# Altium PCB DI543.PcbDoc (part 4 of 8)
Units mil, origin at the board's own origin, x right, y up, seen from the top; angles counter-clockwise.
Board outline 8666.42 x 9192.01 mil, 4 copper layers (Top Layer, Mid-Layer 1, Mid-Layer 2, Bottom Layer), stack 35.6 mil thick; 694 components, 500 nets, 2441 pads, 1661 vias.
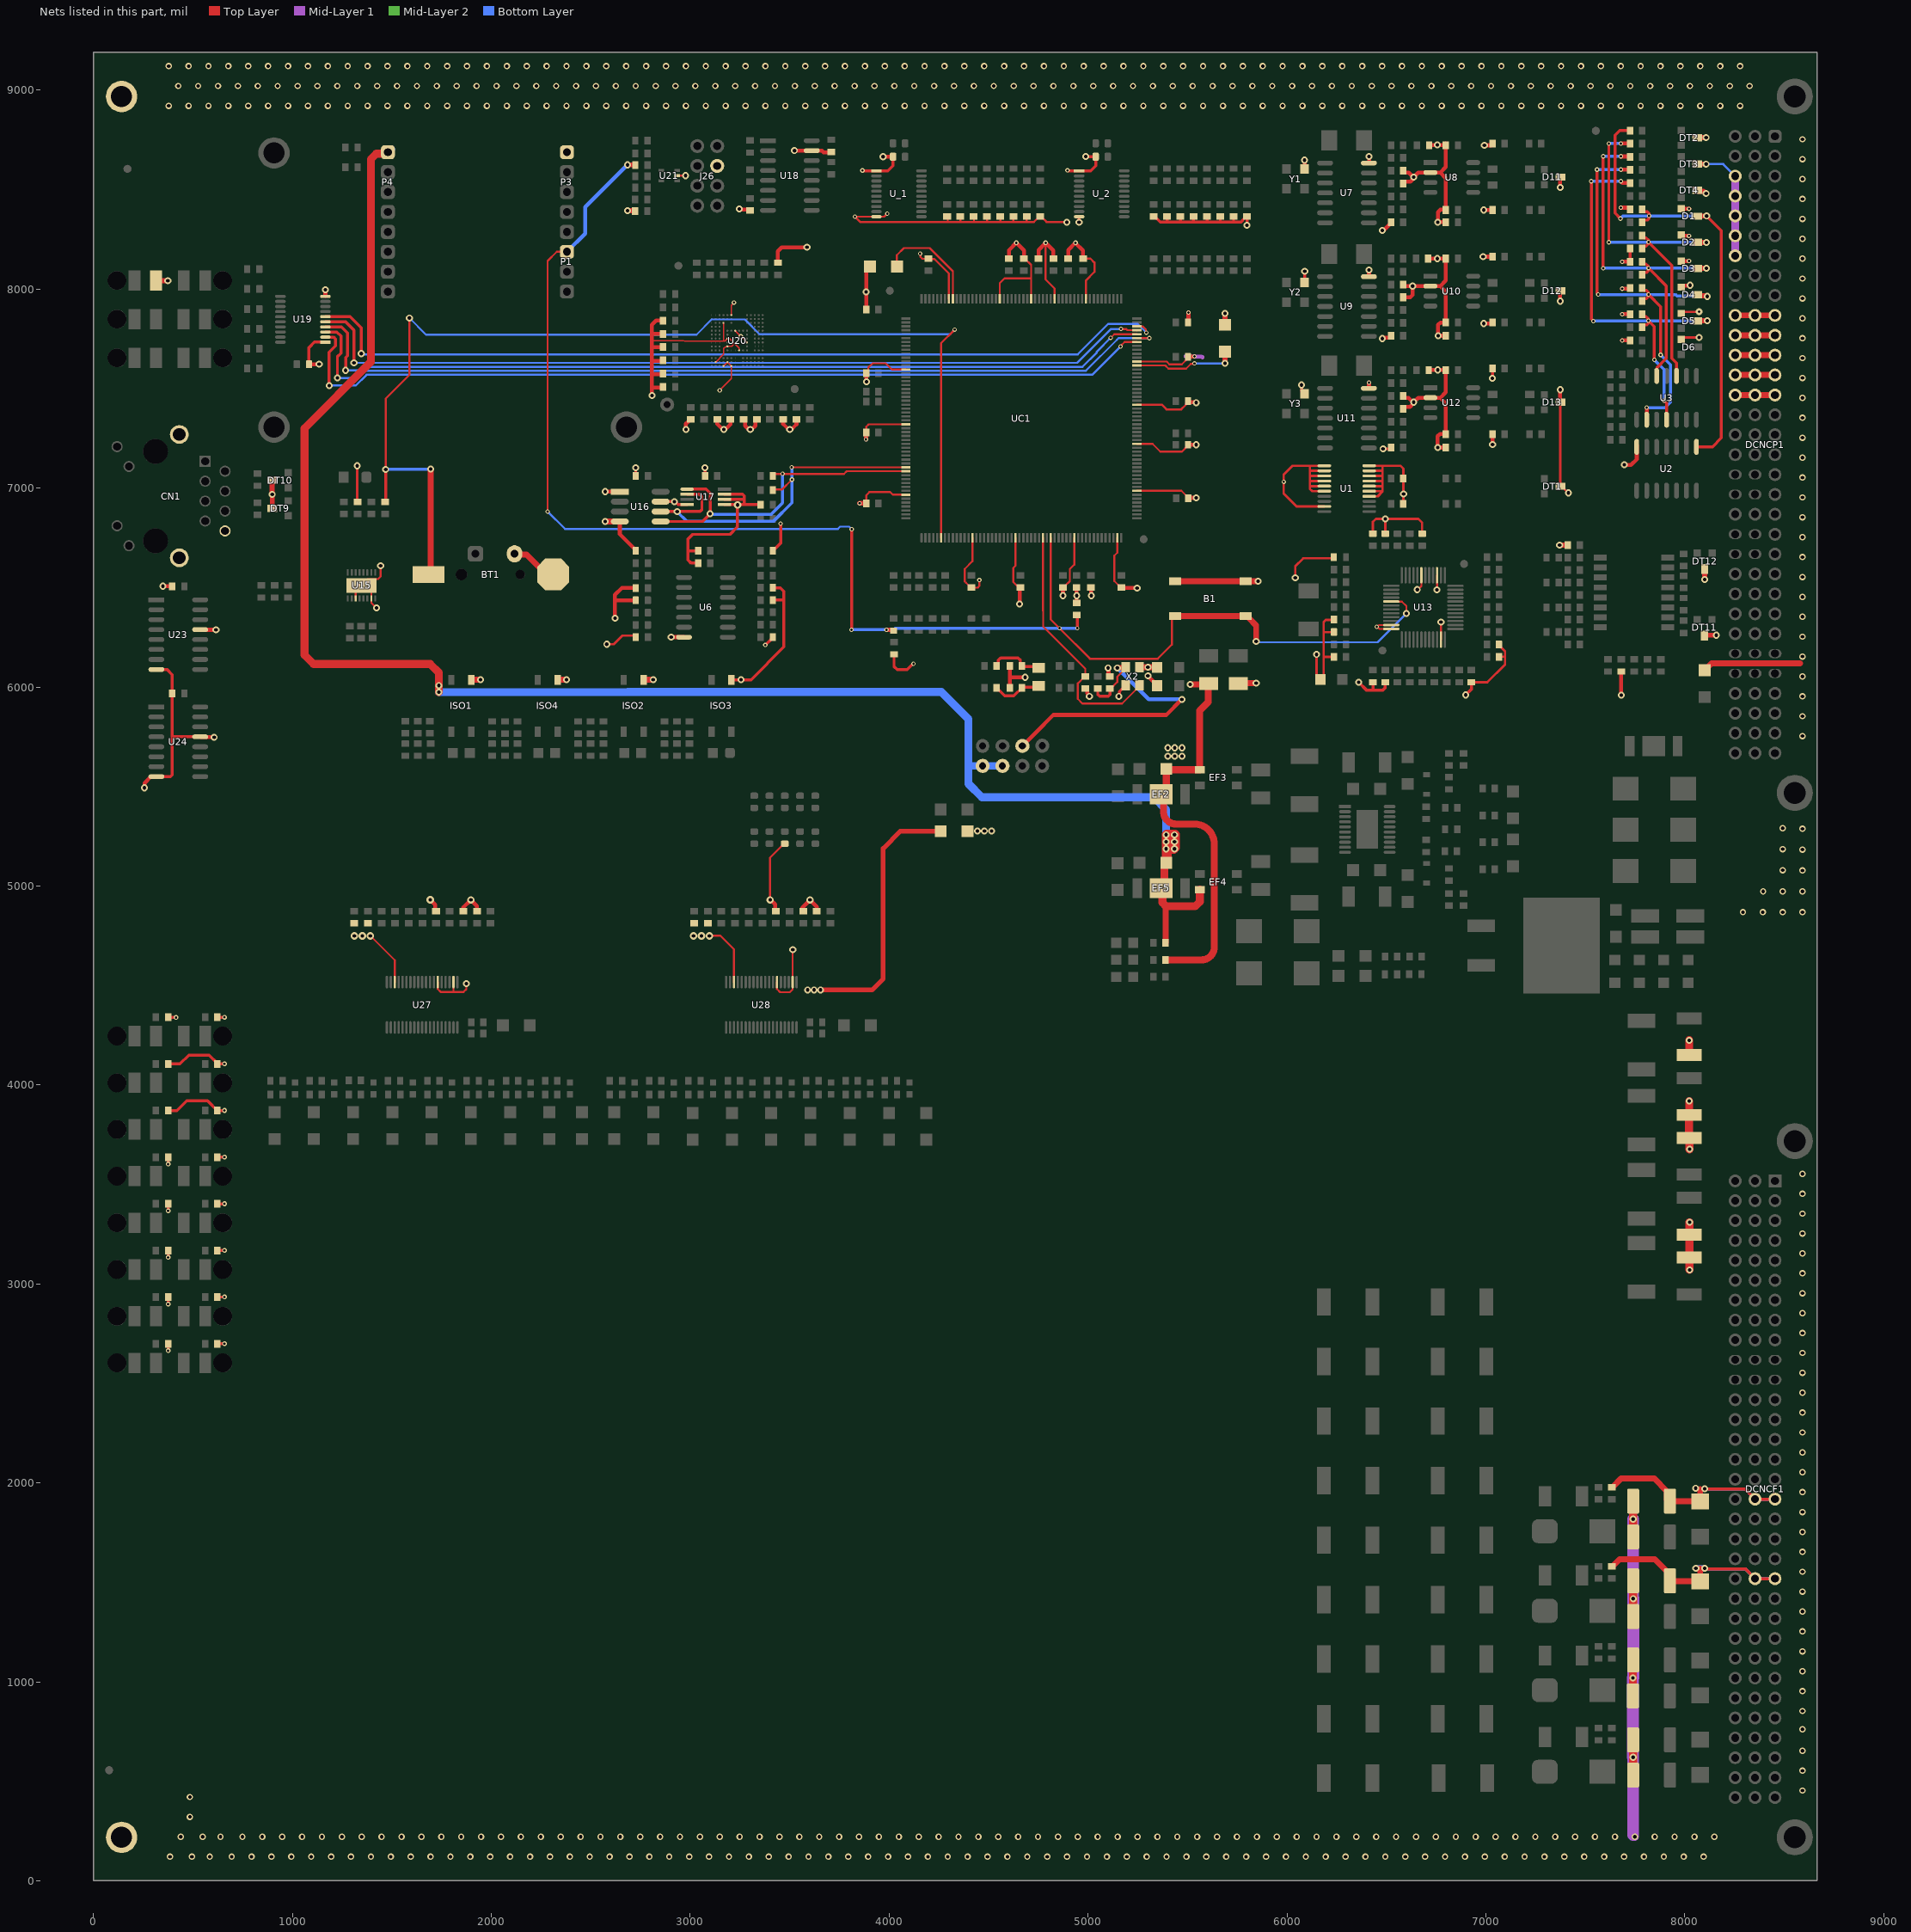
[diagram p6: the nets of this part, all layers, seen from the top]

## Via types
v1: diameter 35, hole 18, Top Layer to Bottom Layer, tented both sides, 586 vias
v2: diameter 32, hole 18, Top Layer to Bottom Layer, tented both sides, 474 vias
v3: diameter 22, hole 12, Top Layer to Bottom Layer, tented both sides, 354 vias
v4: diameter 24, hole 12, Top Layer to Bottom Layer, tented both sides, 80 vias
v5: diameter 38, hole 18, Top Layer to Bottom Layer, tented both sides, 57 vias
v6: diameter 20, hole 12, Top Layer to Bottom Layer, tented both sides, 51 vias
v7: diameter 62.99, hole 31.5, Top Layer to Bottom Layer, tented both sides, 49 vias
v8: diameter 35, hole 19, Top Layer to Bottom Layer, tented both sides, 4 vias
v9: diameter 21, hole 12, Top Layer to Bottom Layer, tented both sides, 3 vias
v10: diameter 35, hole 12, Top Layer to Bottom Layer, tented both sides, 1 vias
v11: diameter 22.01, hole 12, Top Layer to Bottom Layer, tented both sides, 1 vias
v12: diameter 35, hole 22, Top Layer to Bottom Layer, tented both sides, 1 vias

## Nets (pads, with @x,y where several pads share a name; then routed paths per layer and width w, separated by ;. In a path a pad name is that pad's centre, name@x,y a point inside that pad or via, vN(x,y) a via of type N, cw(c..) or ccw(c..) an arc to the next point about the centre after c; other vN are vias at no path point) (continued)
FPW3: C153.1 DCNCF1.A21 DCNCF1.B21 DT15.K R259.1 | length 2248.6
  Top Layer w15: C153.1@7925.84,1530.28 C153.1@7925.84,1534.12 ; 8076.77,1567.91 8077.34,1568.48 8303.8,1568.48 DCNCF1.B21@8353.78,1518.5 DCNCF1.A21@8453.78,1518.5
  Top Layer w30: R259.1@7633.96,1581.03 7634.96,1582.03 7638.46,1582.03 7672.57,1616.14 7850.39,1616.14 7910.84,1555.69 7910.84,1555.12 7925.28,1540.69 7925.84,1540.69 C153.1@7925.84,1534.12 ; C153.1@7925.84,1530.28 C153.1@7925.84,1507.62 7925.84,1497.78 7933.97,1505.91 DT15.K@8077.76,1505.91 8077.76,1567.91
  Mid-Layer 1 w15: v1@8098,1568.48 8303.8,1568.48 DCNCF1.B21@8353.78,1518.5 DCNCF1.A21@8453.78,1518.5
  Mid-Layer 1 w30: v1@8057,1571 v1@8098,1571
  Mid-Layer 2 w15: v1@8098,1568.48 8303.8,1568.48 DCNCF1.B21@8353.78,1518.5 DCNCF1.A21@8453.78,1518.5
  Mid-Layer 2 w30: v1@8057,1571 v1@8098,1571
  Bottom Layer w15: v1@8098,1568.52 8303.76,1568.52 DCNCF1.B21@8353.78,1518.5 DCNCF1.A21@8453.78,1518.5
  Bottom Layer w30: v1@8057,1571 v1@8098,1571
  other v1: 8056,1571 8100,1571
FPW4: C158.1 DCNCF1.A17 DCNCF1.B17 DT16.K R283.1 | length 2131.9
  Top Layer w15: C158.1@7925.84,1908.38 C158.1@7925.84,1936.45 ; v1(8100,1970) 8101.48,1968.52 8303.76,1968.52 DCNCF1.B17@8353.78,1918.5 DCNCF1.A17@8453.78,1918.5
  Top Layer w30: R283.1@7633.96,1978.96 7634.96,1979.96 7638.46,1979.96 7680.15,2021.65 7847.44,2021.65 7910.84,1958.25 7910.84,1913.54 7925.84,1898.54 7934.79,1907.48 DT16.K@8077.76,1907.48 8077.76,1968.5
  Mid-Layer 1 w15: v1(8100,1970) 8101.48,1968.52 8303.76,1968.52 DCNCF1.B17@8353.78,1918.5 DCNCF1.A17@8453.78,1918.5
  Mid-Layer 2 w15: v1(8100,1970) 8101.48,1968.52 8303.76,1968.52 DCNCF1.B17@8353.78,1918.5 DCNCF1.A17@8453.78,1918.5
  Bottom Layer w15: v1(8100,1970) 8101.48,1968.52 8303.76,1968.52 DCNCF1.B17@8353.78,1918.5 DCNCF1.A17@8453.78,1918.5
  other v1: 8055.23,1973.46
GND: B1.1 B1.4 BT1.2 C1.1 C2.1 C3.1 C4.1 C5.1 C6.1 C7.1 C8.2 C9.2 C10.2 C11.2 C12.1 C13.1 C14.1 C15.1 C16.1 C17.1 C18.1 C19.1 C20.1 C21.1 C22.1 C23.2 C24.2 C25.1 C26.1 C27.1 C28.1 C29.1 C30.1 C31.1 C32.1 C33.1 C34.1 C35.1 C36.1 C37.1 C38.1 C39.1 C40.1 C41.1 C54.1 C62.1 C63.1 C64.2 C65.2 C66.1 C67.1 C68.1 C69.1 C70.2 C71.2 C72.1 C73.1 C74.1 C75.1 C76.2 C77.2 C78.1 C79.1 C80.1 C81.1 C82.1 C83.1 C84.1 C85.1 C86.2 C87.1 C88.1 C89.1 C90.2 C91.1 C92.1 C94.1 C95.2 C96.1 C97.2 C99.1 C102.1 C103.1 C104.1 C105.1 C106.1 C107.1 C108.1 C109.1 C110.1 C111.1 C112.1 C113.1 C114.1 C115.1 C116.1 C118.1 C123.1 C125.1 C149.1 C154.1 C159.1 C163.2 C164.2 C165.2 C166.2 C167.1 C168.2 C169.1 C170.1 C173.1 C183.1 C184.1 C185.1 CN1.8 CN1.13 CN1.14 D1.1 D2.1 D3.1 D4.1 D5.1 D6.1 D11.3 D12.3 D13.3 DCNCP1.C3 DCNCP1.C4 DCNCP1.C5 DCNCP1.C6 DCNCP1.C7 DT1.3 DT2.3 DT3.3 DT4.3 DT9.3 DT10.3 DT11.3 DT12.3 EF2.2 EF3.3 EF4.4 EF5.2 ISO1.3 ISO2.3 ISO3.3 ISO4.3 J26.4 LED_1.K P3.4 P4.4 R45.1 R54.2 R71.2 R72.1 R73.1 R75.1 R78.2 R83.1 R91.2 R94.1 R123.1 R161.1 R170.1 R176.1 R187.2 R189.2 R191.2 R193.2 R195.2 R197.2 R199.2 R201.2 R203.2 R205.2 R207.2 R209.2 R211.2 R213.2 R215.2 R217.2 R287.1 R288.1 R289.1 R290.1 R291.1 R292.1 R293.1 R294.1 R295.1 R296.1 R297.1 R298.1 R299.1 R300.1 R301.1 R302.1 R303.1 TP3.1 TP5.1 U1.4 U1.5 U1.6 U1.7 U1.8 U1.9 U1.10 U1.11 U1.12 U1.13 U1.14 U1.15 U1.16 U1.19 U2.7 U6.7 U7.7 U8.2 U9.7 U10.2 U11.7 U12.2 U13.15 U13.19 U13.35 U13.36 U13.47 U15.3 U15.7 U15.17 U16.1 U16.4 U16.7 U17.4 U17.5 U17.6 U17.7 U18.15 U19.1 U19.10 U20.A6 U20.C4 U20.E7 U20.G5 U20.H10 U20.J5 U20.K8 U20.N2 U20.N5 U20.P4 U20.P6 U21.2 U23.8 U23.13 U24.8 U24.13 U_1.1 U_1.10 U_2.1 U_2.10 UC1.14 UC1.25 UC1.40 UC1.51 UC1.60 UC1.72 UC1.82 UC1.93 UC1.114 UC1.122 UC1.128 UC1.136 UC1.149 UC1.170 UC1.184 UC1.202 X2.2 X2.4 Y1.2 Y2.2 Y3.2 | length 40705.4
  Top Layer w5.91: 2808,7738.93 2811.2,7742.13 2967.52,7742.13 2971.26,7738.38 3165.69,7738.38 ; U20.N2@3128.23,7633.86 3169,7674.62 3169,7702 3178.81,7711.81 3186.5,7711.81 U20.J5@3187.29,7712.6 3208.66,7712.6 3215,7718.94 3215,7735 ; v3(3148.67,7491.92) 3206.97,7550.23 U20.P6@3206.97,7614.17 U20.N5@3187.29,7633.86 U20.P4@3167.6,7614.17 ; U20.C4@3167.6,7830.71 3167.6,7784.78 3167.6,7740.29 3165.69,7738.38 ; U20.A6@3206.97,7870.08 3206.97,7918.06 3220.1,7931.19 v3(3220.1,7933.02) ; U20.E7@3226.66,7791.34 3226.66,7790.34 v4(3255,7762) 3255.99,7762 U20.H10@3285.71,7732.28 ; U20.K8@3246.34,7692.91 3246.34,7703.66 3215,7735 ; 3165.69,7738.38 3173.7,7738.38 U20.G5@3187.29,7751.97 3198.03,7751.97 3209.73,7740.27 3215,7735
  Top Layer w10: U15.3@1318.29,6445.75 1318.29,6481.22 U15.17@1347.83,6510.75 ; v1@1423.23,6396.65 1397.05,6422.83 U15.7@1397.05,6445.75 1397.05,6478.25 1364.55,6510.75 U15.17@1347.83,6510.75 ; v1(1443.9,6609.25) 1443.9,6556.01 1431.14,6543.25 1380.33,6543.25 U15.17@1347.83,6510.75 ; U21.2@2935.04,8570.87 v1(2977.36,8570.87) ; C15.1@3885.43,6927.16 3885.43,6964.43 3901.28,6980.28 4005.72,6980.28 4019.12,6966.88 UC1.202@4084.48,6966.88 ; C14.1@3885.43,7279 3885.43,7309.43 3897.21,7321.21 UC1.184@4084.48,7321.21 ; C17.1@3885.43,7579 3895.57,7589.14 3895.57,7605.57 3918,7628 3983,7628 4014.2,7596.8 UC1.170@4084.48,7596.8 ; v3(3991.14,8379.92) 3975.83,8364.61 U_1.10@3936.42,8364.61 3828.61,8364.61 v3(3828,8364) 3854,8338 4295,8338 ; v3(4156,8179) 4158.3,8176.7 4158.3,8162.7 4168,8153 C30.1@4193.67,8153 ; C30.1@4201,8153.7 4202.39,8152.31 4226.69,8152.31 4301.02,8077.98 UC1.149@4301.02,7951.13 ; R288.1@4295.34,8365.98 R288.1@4291.84,8365.98 4295,8362.83 4295,8338 ; R289.1@4358.73,8365.98 4359,8365.72 4359,8338 ; C18.1@4411,6500 4386.8,6524.2 4380,6531 4380,6594 4419.13,6633.13 UC1.14@4419.13,6750.34 ; C18.1@4414.5,6500 4445.74,6500 4453.74,6508 v3(4453.74,6538) ; R290.1@4425.62,8365.98 4427,8364.61 4427,8338 ; R291.1@4492.51,8365.98 4493,8365.5 4493,8338 ; UC1.136@4556.92,7951.13 4556.92,8030.92 4580,8054 4714,8054 ; R292.1@4559.4,8365.98 4560,8365.39 4560,8338 ; R293.1@4626.29,8365.98 4625,8364.69 4625,8338 ; UC1.25@4635.66,6750.34 4635.66,6609.66 4624,6598 4624,6528.5 4652.5,6500 C22.1@4656,6500 ; C21.1@4683.3,8153.7 4714.4,8122.6 UC1.128@4714.4,7951.13 ; R294.1@4693.18,8365.98 4692,8364.8 4692,8338 ; R295.1@4760.07,8365.98 4756.57,8365.98 4728.59,8338 4692,8338 ; R295.1@4763.65,8365.91 4791.56,8338 v1@4894,8338 ; v4@4786.95,8233.27 4786.95,8232.82 4786.95,8049.05 4832.51,8003.49 UC1.122@4832.51,7951.13 ; C20.1@4876,6500 4876.7,6500 4887.7,6511 4887.7,6511.7 4908.45,6532.45 4908.45,6593.49 4930.12,6615.16 ; 4930.94,6614.94 UC1.40@4930.94,6750.34 ; C32.1@4969,8153.7 C32.1@4972.5,8153.7 ; C32.1@4975,8153.7 5012.64,8153.7 5032.48,8133.86 5032.48,8086.61 4991.14,8045.28 ; UC1.114@4989.99,7951.13 4989.99,8044.99 ; UC1.51@5147.47,6750.34 5147.47,6676.02 5132,6660.54 5132,6533.58 5165.74,6499.84 C19.1@5177.76,6499.84 ; UC1.60@5245.9,6986.56 5469.44,6986.56 C27.1@5501.8,6954.2 ; UC1.72@5245.9,7222.78 5324.46,7222.78 5363.19,7184.06 5472.38,7184.06 5501.33,7213 C28.1@5503.83,7213 ; UC1.82@5245.9,7419.63 5370.72,7419.63 5394.35,7396 5469,7396 5492,7419 5492,7424.9 5505.1,7438 C25.1@5506.1,7437 ; UC1.93@5245.9,7636.17 5395.83,7636.17 5409.32,7622.68 5471.78,7622.68 5502.83,7653.73 C26.1@5502.83,7657.23 ; v3(6451.77,6303.15) v3@6454.48,6303.15 ; U13.36@6524.4,6292.36 6465.26,6292.36 v3@6454.48,6303.15 ; U13.35@6524.4,6312.05 6463.38,6312.05 v3@6454.48,6303.15 ; v1(6655.51,6490.2) 6658.36,6490.2 6675.97,6507.81 U13.19@6675.97,6562.05 ; v1@6754.62,6489.85 U13.15@6754.62,6561.96 ; U13.47@6774.4,6239.22 6774.49,6239.31 6774.49,6326.66 v1(6774.61,6326.77) ; DT2.3@8062.44,8760.95 DT2.3@8063.49,8762 ; 4295,8338 4359,8338 ; 4359,8338 4427,8338 ; 4427,8338 4493,8338 ; 4493,8338 4560,8338 ; 4560,8338 4625,8338 ; 4625,8338 4692,8338
  Top Layer w11.81: C94.1@1324.27,6931.16 C94.1@1327.77,6931.16 ; C94.1@1325.79,6933.07 C94.1@1325.79,6941.25 ; v1(1325.79,7112.2) C94.1@1325.79,6941.25 ; C94.1@1331.82,6935.21 C94.1@1325.79,6941.25 ; v1(2580.71,6215.55) 2616.14,6215.55 2659.45,6258.86 C159.1@2726.2,6258.86 ; v1(6483.27,7197.83) 6516.83,7197.83 R91.2@6524,7205 ; C69.1@7026.5,8170.5 7033.61,8163.39 C69.1@7034,8163 ; v1(7033.46,7552.17) v1@7033.73,7552.43 ; C75.1@7033.73,7601.73 C75.1@7034,7602 ; D12.3@7374.5,7992.5 D12.3@7375,7992 ; D11.3@7374.5,8563.5 D11.3@7375,8563 ; v3@7677.25,8410 v3(7679.22,8410) ; C35.1@7718.5,8410 C35.1@7721.75,8413.25 ; C38.1@7720.91,8002.47 C38.1@7725,8006.56 ; C38.1@7725.74,8016.24 C38.1@7726.75,8017.25 ; D2.1@7982.44,8272.81 D2.1@7987.13,8268.13 ; D5.1@7984.17,7885.83 v10@8072.83,7885.83 ; D6.1@7987.25,7757.75 7988.11,7756.89 v1(8072.83,7756.89) v1@8079.33,7756.89 ; v3(8021.52,8268.13) v3@8024.48,8268.13 ; v3(8021.52,8404.22) v3@8026.44,8404.22
  Top Layer w12: v1(6042.32,6549.21) 6042.32,6608.27 6081.53,6647.47 R123.1@6236.23,6647.47 ; 6115.3,7111 6115.3,7088 ; 6115.54,7035.04 6116.32,7035.82 U1.14@6188,7035.82 ; v1@6149.61,6163.39 6149.61,6057.93 C90.2@6168.75,6038.78 6185.04,6055.07 6185.04,6151.57 ; U1.19@6188,6907.86 6048.83,6907.86 5984,6972.69 v3(5984,7032) 5984,7067.66 6028.93,7112.59 U1.11@6188,7112.59 ; U1.16@6188,6984.64 6127.66,6984.64 6115.3,6997 6115.3,7010.23 ; U1.15@6188,7010.23 6115.3,7010.23 ; U1.13@6188,7061.41 6116.89,7061.41 6115.3,7063 ; U1.12@6188,7087 6116.3,7087 6115.3,7088 ; C86.2@6236.23,6151.64 6185.11,6151.64 6185.04,6151.57 ; C85.1@6236.23,6275.6 6185.05,6275.6 ; C84.1@6236.23,6337.58 6194.86,6337.58 6185.04,6327.76 6185.04,6275.59 ; U1.4@6414.06,6959.04 6456.83,6959.04 6480.82,6983.02 6479.2,6984.64 U1.5@6414.06,6984.64 ; U1.6@6414.06,7010.23 6479.61,7010.23 6480.84,7009 ; U1.7@6414.06,7035.82 6480.66,7035.82 6480.84,7036 ; U1.8@6414.06,7061.41 6480.25,7061.41 6480.84,7062 ; U1.9@6414.06,7087 6476.74,7087 6480.84,7082.9 ; U1.10@6414.06,7112.59 6480.25,7112.59 ; C83.1@6432.39,6771.48 6432.39,6831.01 6446.85,6845.47 v1@6494.09,6845.47 ; 6480.84,6983 6480.84,7009 ; C81.1@6494.29,6771.48 6494.29,6845.27 v1@6494.09,6845.47 ; R287.1@6585,6920.36 6585.81,6921.17 6585.81,6970.47 v1(6586.61,6971.28) ; v1@6585.81,6971.28 6585.81,6978.52 6586.61,6979.33 6585.81,6980.14 6585.81,7047.58 C34.1@6585,7048.38 6585,7098 6570.41,7112.59 6480.25,7112.59 ; C88.1@6680.01,6771.48 6680.01,6825.9 6660.43,6845.47 v1@6494.09,6845.47 ; v1(6753.94,6489.17) v1@6754.62,6489.85 ; C82.1@6927.62,6024.48 7007.74,6024.48 7096.83,6113.57 7096.83,6152.56 ; C39.1@7066.27,6151.64 7067.19,6152.56 7096.83,6152.56 ; C80.1@7066.27,6214.46 7066.27,6210.96 7096.83,6180.39 7096.83,6152.56 ; D13.3@7374,7432 D13.3@7374.5,7431.5 DT1.3@7374.5,7009.5 7381.5,7009.5 7413.63,6977.36 v1@7415.35,6977.36 ; C92.1@7411.41,6713.58 C92.1@7412.25,6712.74 ; DT11.3@8098.43,6259.67 DT11.3@8098.96,6260.21 ; 6115.3,7010.23 6115.3,7063 ; 6115.3,7063 6115.3,7088 ; 6185.04,6151.57 6185.04,6275.59 ; 6480.25,7112.59 6480.84,7112 6480.84,7082.9 ; 6480.84,7009 6480.84,7036 ; 6480.84,7036 6480.84,7062 ; 6480.84,7062 6480.84,7082.9
  Top Layer w15: U24.8@316.78,5550.13 387.45,5550.13 396.24,5558.92 396.24,5750 ; U23.8@316.78,6088.85 318.5,6087.12 371.54,6087.12 396.24,6062.42 C123.1@396.24,5968.59 396.24,5750 ; R195.2@375.49,3871.71 419.94,3871.71 469.49,3921.26 573.86,3921.26 R197.2@623.41,3871.71 ; R191.2@375.49,4106.11 434.85,4106.11 479.33,4150.59 582.44,4150.59 623.41,4109.61 R193.2@623.41,4106.11 ; R187.2@375.49,4340.52 376.25,4339.76 414.74,4339.76 v4(415.5,4339) ; v4@375.67,2664.81 R215.2@375.67,2699.5 ; v4@375.67,2899.22 R211.2@375.67,2933.9 ; v4@375.67,3133.62 R207.2@375.67,3168.31 ; v4@375.67,3368.03 R203.2@375.67,3402.72 ; v4@375.67,3602.44 R199.2@375.67,3637.12 ; U24.13@537.95,5750.9 537.06,5750 396.24,5750 ; R217.2@623.6,2699.86 v4@658.28,2699.86 ; R213.2@623.6,2934.27 v4@658.28,2934.27 ; R209.2@623.6,3168.67 v4@658.28,3168.67 ; R205.2@623.6,3403.08 v4@658.28,3403.08 ; R201.2@623.6,3637.49 v4@658.28,3637.49 ; R197.2@623.6,3871.89 v4@658.28,3871.89 ; R193.2@623.6,4106.3 v4@658.28,4106.3 ; R189.2@623.6,4340.7 v4@658.28,4340.7 ; C103.1@1083.84,7631 1083.84,7705.84 1111.82,7733.82 U19.1@1166.38,7733.82 ; U19.10@1166,7964.51 U19.10@1166.38,7964.13 ; v1(2684.85,8394.9) v1@2685.57,8394.19 ; R170.1@2723.02,8394.19 R170.1@2723.74,8393.47 ; C96.1@2725.39,7057.98 2726.29,7058.88 2726.29,7097.59 v1@2725.39,7098.49 ; 2808,7704.72 2812.17,7708.9 ; 2808,7773.13 2810.4,7775.53 ; U16.7@2851.48,6932.43 2851.65,6932.26 2920.1,6932.26 v1(2920.28,6932.09) 2925.69,6932.09 2939.38,6918.39 2983.92,6918.39 U17.4@2984.29,6918.02 ; C167.1@3040.32,6622.95 3005,6622.95 2988.19,6639.76 2988.19,6691.93 ; C166.2@3040.79,6685.21 C166.2@3040.32,6684.74 2995.38,6684.74 2988.19,6691.93 ; C97.2@3069.88,7059.72 3075.2,7065.04 3075.2,7094.68 v1@3069.88,7100 ; U17.5@3172.48,6918.02 3172.85,6917.64 3235.9,6917.64 v5(3238.19,6915.35) ; U17.6@3172.48,6943.61 3271.65,6943.61 ; U17.7@3172.48,6969.2 3262.87,6969.2 3271.65,6960.41 3271.65,6943.61 ; ISO3.3@3207.79,6036.83 3305.83,6036.83 3471,6202 3471,6437.58 ; R54.2@3354.43,6917.04 3271.93,6917.04 3271.65,6917.32 ; v3@3380.04,6212.72 3406.93,6239.61 3406.93,6240.21 3420.13,6253.41 C164.2@3420.73,6253.41 ; C149.1@3415.43,6437.58 3471,6437.58 ; C154.1@3415.43,6499.37 3452.63,6499.37 3471,6481 3471,6437.58 ; C163.2@3415.43,6684.74 3454.64,6723.95 v3(3454.64,6821.34) ; v3@3866,8596 3866.7,8595.3 3936.04,8595.3 U_1.1@3936.42,8594.92 3993.72,8594.92 4019.44,8620.64 C169.1@4019.44,8665.76 ; R45.1@4024.99,6164.88 4024.99,6103.94 4041.34,6087.6 4091.42,6087.6 4121.32,6117.5 v3(4123.03,6117.5) ; v3(4897,8597.07) 4898.89,8597.07 4901.04,8594.92 U_2.1@4955.62,8594.92 5012.92,8594.92 5038.64,8620.64 C170.1@5038.64,8665.98 5038.13,8666.49 4989.51,8666.49 v1(4989,8667) ; v1(4955,8336) U_2.10@4955,8363.98 ; v1(5155.51,5953.86) 5157.96,5956.31 5157.96,5977.99 5171.06,5991.1 5175.06,5991.1 5188.91,6004.94 X2.4@5188.91,6008.94 ; R296.1@5331.05,8365.98 5334.55,8365.98 5363.53,8337 5398,8337 ; R297.1@5397.94,8365.98 5398,8365.92 5398,8337 ; R298.1@5464.83,8365.98 5465,8365.81 5465,8337 ; R299.1@5531.72,8365.98 5531,8365.27 5531,8337 ; R300.1@5598.61,8365.98 5600,8364.59 5600,8337 ; R301.1@5665.5,8365.98 5665,8365.49 5665,8337 ; v1@5686,7879 5686,7877.65 v1@5689,7874.65 ; C24.2@5688.26,7820.26 C24.2@5688.26,7820.44 ; R302.1@5732.39,8365.98 5732,8365.6 5732,8337 ; C8.2@5742.01,6017.92 5742.01,6011.11 C8.2@5743,6010.1 ; v1(5799,8321) 5799.14,8321.14 5799.14,8365.85 R303.1@5799.28,8365.98 5795.78,8365.98 5776,8346.21 5776,8344 5769,8337 5732,8337 ; v1(6073.82,7518.7) 6075.16,7517.36 6075.16,7489.09 Y3.2@6089.31,7474.94 ; Y2.2@6089.31,8034.53 6089.44,8034.66 6089.44,8089.44 v1(6089.57,8089.57) ; v1(6361.22,6023.62) 6399.61,5985.24 6432.09,5985.24 ; U7.7@6412,8634 U7.7@6413,8635 ; C87.1@6432.39,6024.48 6432.39,5985.54 6432.09,5985.24 ; C89.1@6494.29,6024.48 6492.79,6022.97 6492.79,5994.76 6483.27,5985.24 6432.09,5985.24 ; v1(6898.62,5960.63) 6927.62,5989.63 C82.1@6927.62,6024.48 ; v1@7033.73,7552.43 C75.1@7033.73,7601.73 ; C37.1@7725,8138.39 C36.1@7725,8204.3 ; DCNCP1.C3@8252.79,8569.5 DCNCP1.C3@8253.78,8568.5 ; 2988.19,6691.93 2988.19,6744.09 3011.81,6767.72 3199.8,6767.72 3238.19,6806.1 v5(3238.19,6915.35) ; v5(3238.19,6915.35) 3240.16,6917.32 3271.65,6917.32 ; 3271.65,6917.32 3271.65,6943.61 ; 5398,8337 5465,8337 ; 5465,8337 5531,8337 ; 5531,8337 5600,8337 ; 5600,8337 5665,8337 ; 5665,8337 5732,8337
  Top Layer w20: v1(256,5494) 256.77,5494.77 256.77,5518.12 287.47,5548.83 288.01,5548.28 U24.8@316.78,5548.28 ; LED_1.K@315.11,8043.71 LED_1.K@316.82,8042 ; v1(349.48,6507.21) C125.1@396.24,6507.19 ; U23.13@536.78,6289.13 537.79,6288.12 615.42,6288.12 v1(616.14,6287.4) ; U24.13@537.95,5750.9 539.48,5749.37 605.95,5749.37 v1(607.28,5748.03) ; v1@898.81,6971.19 899,6971 v1@898.89,6971 ; C103.1@1083.84,7622.39 1083.84,7625.89 1087.04,7622.7 1134.7,7622.7 v1(1135,7623) ; v1(1166,7997) 1166,7968.48 U19.10@1166.7,7967.78 ; v1@2573.1,6982.36 U16.1@2646.48,6982.43 ; v1(2622.05,6346.46) 2622.05,6432.09 ; U16.4@2646.48,6832.43 2646.48,6768.87 C165.2@2730.61,6684.74 ; C168.2@2726.2,6436.44 2626.4,6436.44 2622.05,6432.09 ; C118.1@2726.2,6498.51 2656.98,6498.51 2622.05,6463.58 2622.05,6432.09 ; v1(2809.06,7465.55) 2808,7466.61 2808,7506.89 ; 2810.4,7775.53 C105.1@2864,7775.53 ; 2812.17,7708.9 C116.1@2864,7708.9 ; C104.1@2864,7506 2808.89,7506 2808,7506.89 ; C108.1@2864,7572.87 2809.02,7572.87 2808,7571.85 ; C113.1@2864,7639.75 2808.01,7639.75 ; C106.1@2864,7842.16 2828.38,7842.16 2808,7821.78 2808,7773.13 2808,7738.93 2808,7704.72 2808,7639.76 ; v1(2904.53,6250.98) U6.7@2968.98,6250.98 ; v1(2978.7,7294.42) 2978.32,7294.8 2978.32,7323.47 2985.98,7331.13 2999.97,7345.12 R161.1@3003.47,7345.12 ; C109.1@3136.13,7345.12 3135.83,7344.82 3135.83,7322.83 3159.54,7299.12 3160.91,7299.12 3165.23,7294.8 v1(3169.29,7294.8) ; v1@3171.26,7289.37 3202.76,7320.87 3202.76,7344.83 C114.1@3202.46,7345.12 ; v1(3247.05,8403.37) 3249.92,8400.5 3295.5,8400.5 C102.1@3300.48,8395.51 ; C107.1@3268.49,7344.82 3269.91,7344.82 3275.61,7339.12 3275.61,7314.02 3291.96,7297.67 3299.08,7297.67 v1(3301.95,7294.8) 3304.82,7297.67 3311.95,7297.67 3328.3,7314.02 3328.3,7339.12 3334.3,7345.12 C111.1@3335.12,7345.12 ; C115.1@3441,8133.4 3441,8191 3460.63,8210.63 v1(3587.6,8210.63) ; C110.1@3467.47,7344.82 3467.47,7322.83 3491.18,7299.12 3492.56,7299.12 3496.88,7294.8 v1(3500.94,7294.8) ; v1@3502.91,7289.37 3534.4,7320.87 C112.1@3534.4,7344.83 ; v1(3524.48,8696.53) U18.15@3611.19,8696.51 3662.5,8696.51 3670.7,8688.31 3706.26,8688.31 C99.1@3708.48,8690.53 ; v3@3883.86,7245.08 3884.24,7245.46 3884.24,7277.81 C14.1@3884.84,7278.42 ; C31.1@3884.84,7898.58 3885.13,7898.87 3885.13,7986.91 3884.84,7987.2 3884.84,8094.12 C23.2@3904.43,8113.7 ; C17.1@3885.43,7579 3886.14,7578.29 3886.14,7536.15 v1(3886.85,7535.43) ; v1@3971.01,8665.99 C169.1@4019.65,8665.99 ; C33.1@4602.4,8153.7 4602.4,8195.91 v4(4639.76,8233.27) 4678.15,8194.88 C21.1@4678.15,8157.03 ; C1.1@4606.8,5996.56 4606.8,6049.96 ; C2.1@4606.8,6106.02 4606.8,6049.96 ; C22.1@4656,6499.67 4656.25,6499.43 4656.25,6417.57 v1(4656.5,6417.32) ; C21.1@4676.92,8153.7 C21.1@4683.3,8153.7 ; v1(4683.62,6049.32) 4682.98,6049.96 4606.8,6049.96 ; C6.1@4751.44,8153.7 4751.44,8197.31 4786.95,8232.82 v4(4787.4,8233.27) 4825.79,8194.88 C7.1@4825.79,8157.03 ; v1(4874.16,6459.57) C20.1@4874.16,6499.84 ; C16.1@4900.48,8153.7 4900.48,8196.74 4936.63,8232.89 4975.01,8194.5 C32.1@4975.01,8156.65 ; C5.1@4942.89,6423.38 4942.97,6423.46 4942.97,6459.49 v1(4943.05,6459.57) C12.1@4943.05,6499.84 ; C3.1@4986.73,5992.29 4990.23,5992.29 4996.23,5986.29 4996.23,5968.58 5006.89,5957.92 v1(5006.89,5953.86) ; C13.1@5013.93,6499.84 5016.5,6497.27 5016.5,6467.61 v1@5019.24,6464.88 ; v1(5101.38,6096.44) 5103.12,6094.7 5103.12,6059.29 5109.12,6053.29 C4.1@5110.31,6053.29 ; C19.1@5177.76,6499.84 5178.58,6499.02 5246.06,6499.02 v1(5247.05,6498.03) ; v1(5301.18,6056.1) 5301.18,6055.48 5348.1,6008.56 C11.2@5348.1,6006.59 ; C26.1@5502.83,7657.23 C26.1@5502.83,7659.2 5502.83,7660.73 5504,7661.91 v3(5535,7661.91) ; C27.1@5502.98,6951.18 v1(5544,6951.18) ; C28.1@5503.83,7213 5508.83,7218 v1(5544.02,7218) v1@5545,7218 ; C29.1@5505,7833.14 v3(5505,7883) ; C25.1@5506.1,7437 5506.1,7435.44 5509,7432.54 5541.46,7432.54 v1(5544.33,7429.67) ; C9.2@5583.19,6013.78 C9.2@5584.17,6014.76 ; C8.2@5743,6010.1 C8.2@5752.58,6019.69 ; v1(6088.58,8648.62) 6088.95,8648.26 6088.95,8604.83 Y1.2@6089.31,8604.46 ; U11.7@6412.5,7503.5 v3(6412.5,7530.19) ; U9.7@6412.5,8064.5 v1(6412.5,8096.5) ; U7.7@6413,8635 v1(6413,8667) ; v1(6479.33,7751.97) 6483.39,7751.97 6487.92,7756.5 6518,7756.5 6523.75,7762.25 R78.2@6523.75,7765.75 ; v1(6480,8296) 6482.87,8298.87 6489.43,8298.87 6524,8333.44 R71.2@6524,8336.94 ; C79.1@6585,7398.57 6585,7402.07 6591,7408.07 6618.38,7408.07 6637,7426.69 v1(6637,7432) ; C78.1@6585,7463.09 6585,7459.59 6591,7453.59 6611.35,7453.59 6632.94,7432 v1(6637,7432) ; C73.1@6585,7959.42 6620.17,7959.42 6631.89,7971.13 v1(6631.89,8015.38) ; C67.1@6585,8530.61 6585,8534.11 6591,8540.11 6620.5,8540.11 6637,8556.62 v1(6637,8563) ; C66.1@6585,8595.15 6585,8591.65 6591,8585.65 6613.24,8585.65 6635.89,8563 v1(6637,8563) ; C72.1@6589.38,8015.38 v1(6631.89,8015.38) ; C184.1@6709.74,8153.83 6709.82,8153.92 6755.92,8153.92 v1(6756,8154) 6756.08,8153.92 6798.75,8153.92 R83.1@6798.83,8154 ; C185.1@6713,7593 6713.5,7593.5 6758.5,7593.5 v1(6759,7594) 6759.5,7593.5 6798.5,7593.5 R94.1@6799,7593 6799,7482 6771.38,7454.38 ; C183.1@6715.21,8724.22 6715.6,8724.61 6756.61,8724.61 v1(6757,8725) 6792,8725 6799,8732 R75.1@6799,8724.22 6799,8614 6771.38,8586.38 ; C76.2@6797.5,7206.5 6794.93,7203.93 6758.43,7203.93 v1(6758.06,7203.56) 6758.06,7260.92 6769.77,7272.64 6797.36,7272.64 C74.1@6799,7271 6799,7426.76 6771.38,7454.38 ; C70.2@6799,7766 v1(6760,7766) 6760,7820.96 6771.72,7832.68 6798.32,7832.68 C68.1@6799,7832 6799,7987.76 6771.38,8015.38 ; R83.1@6799,8161 R83.1@6799,8153.83 6799,8043 6771.38,8015.38 ; C64.2@6799,8337 v1(6759,8337) 6759,8386.95 6771.65,8399.61 6797.39,8399.61 C62.1@6799,8398 6799,8558.76 6771.38,8586.38 ; v1(6986.22,8163.39) 7033.61,8163.39 C69.1@7034,8163.39 ; v1(6989.5,7827.5) C71.2@7033.5,7827.5 ; v1(6990,8398) C65.2@7034,8398 ; v1(6993,8723) C63.1@7028,8723 ; v1(7034,7220) C77.2@7034,7266 ; D13.3@7374,7432 v1(7374,7495) ; v1(7374,7940) D12.3@7374,7992 ; v1(7374,8511) D11.3@7374,8563 ; v3(7679.22,8410) C35.1@7718.5,8410 ; C91.1@7680.21,6078.46 7680.6,6078.06 7680.6,5959.4 v1(7681,5959) ; v3(7685.31,7742.54) C41.1@7725.03,7742.54 ; v3(7685.31,7874.37) C40.1@7725.03,7874.37 ; v3(7685.31,8002.47) C38.1@7720.91,8002.47 ; v3(7685.31,8138.02) C37.1@7725.03,8138.02 ; v1(7696.85,7117.13) 7730.32,7117.13 7758.82,7145.63 U2.7@7758.82,7215.16 ; D3.1@7982.44,8141.4 v3(8021.52,8141.4) ; D1.1@7982.44,8404.22 v3(8021.52,8404.22) ; D2.1@7987.13,8268.13 v3(8021.52,8268.13) ; D4.1@7992.18,8017.72 7992.26,8017.8 8023.71,8017.8 v1@8026.58,8020.67 ; DT11.3@8098.96,6260.21 DT11.3@8099.27,6260.52 ; v8(8107.19,8481.19) v8@8107.19,8484.34 ; v1@8158.16,6260.52 v1(8158.46,6260.83) ; 2808,7506.89 2808,7571.85 ; 2808,7571.85 2808,7639.76 ; v1(6631.89,8015.38) U10.2@6721.5,8015.38 6771.38,8015.38 ; v1(6637,7432) 6659.38,7454.38 U12.2@6721.5,7454.38 6771.38,7454.38 ; v1(6637,8563) 6660.38,8586.38 U8.2@6721.5,8586.38 6771.38,8586.38